# Altium PCB CameraControler0.8.1.PcbDoc (part 1 of 3)
Units mil, origin at the board's own origin, x right, y up, seen from the top; angles counter-clockwise.
Board outline 5511.81 x 4409.45 mil, 2 copper layers (Top Layer, Bottom Layer); 294 components, 219 nets, 919 pads, 492 vias.
Unrouted connection lines stored in the file: 191.
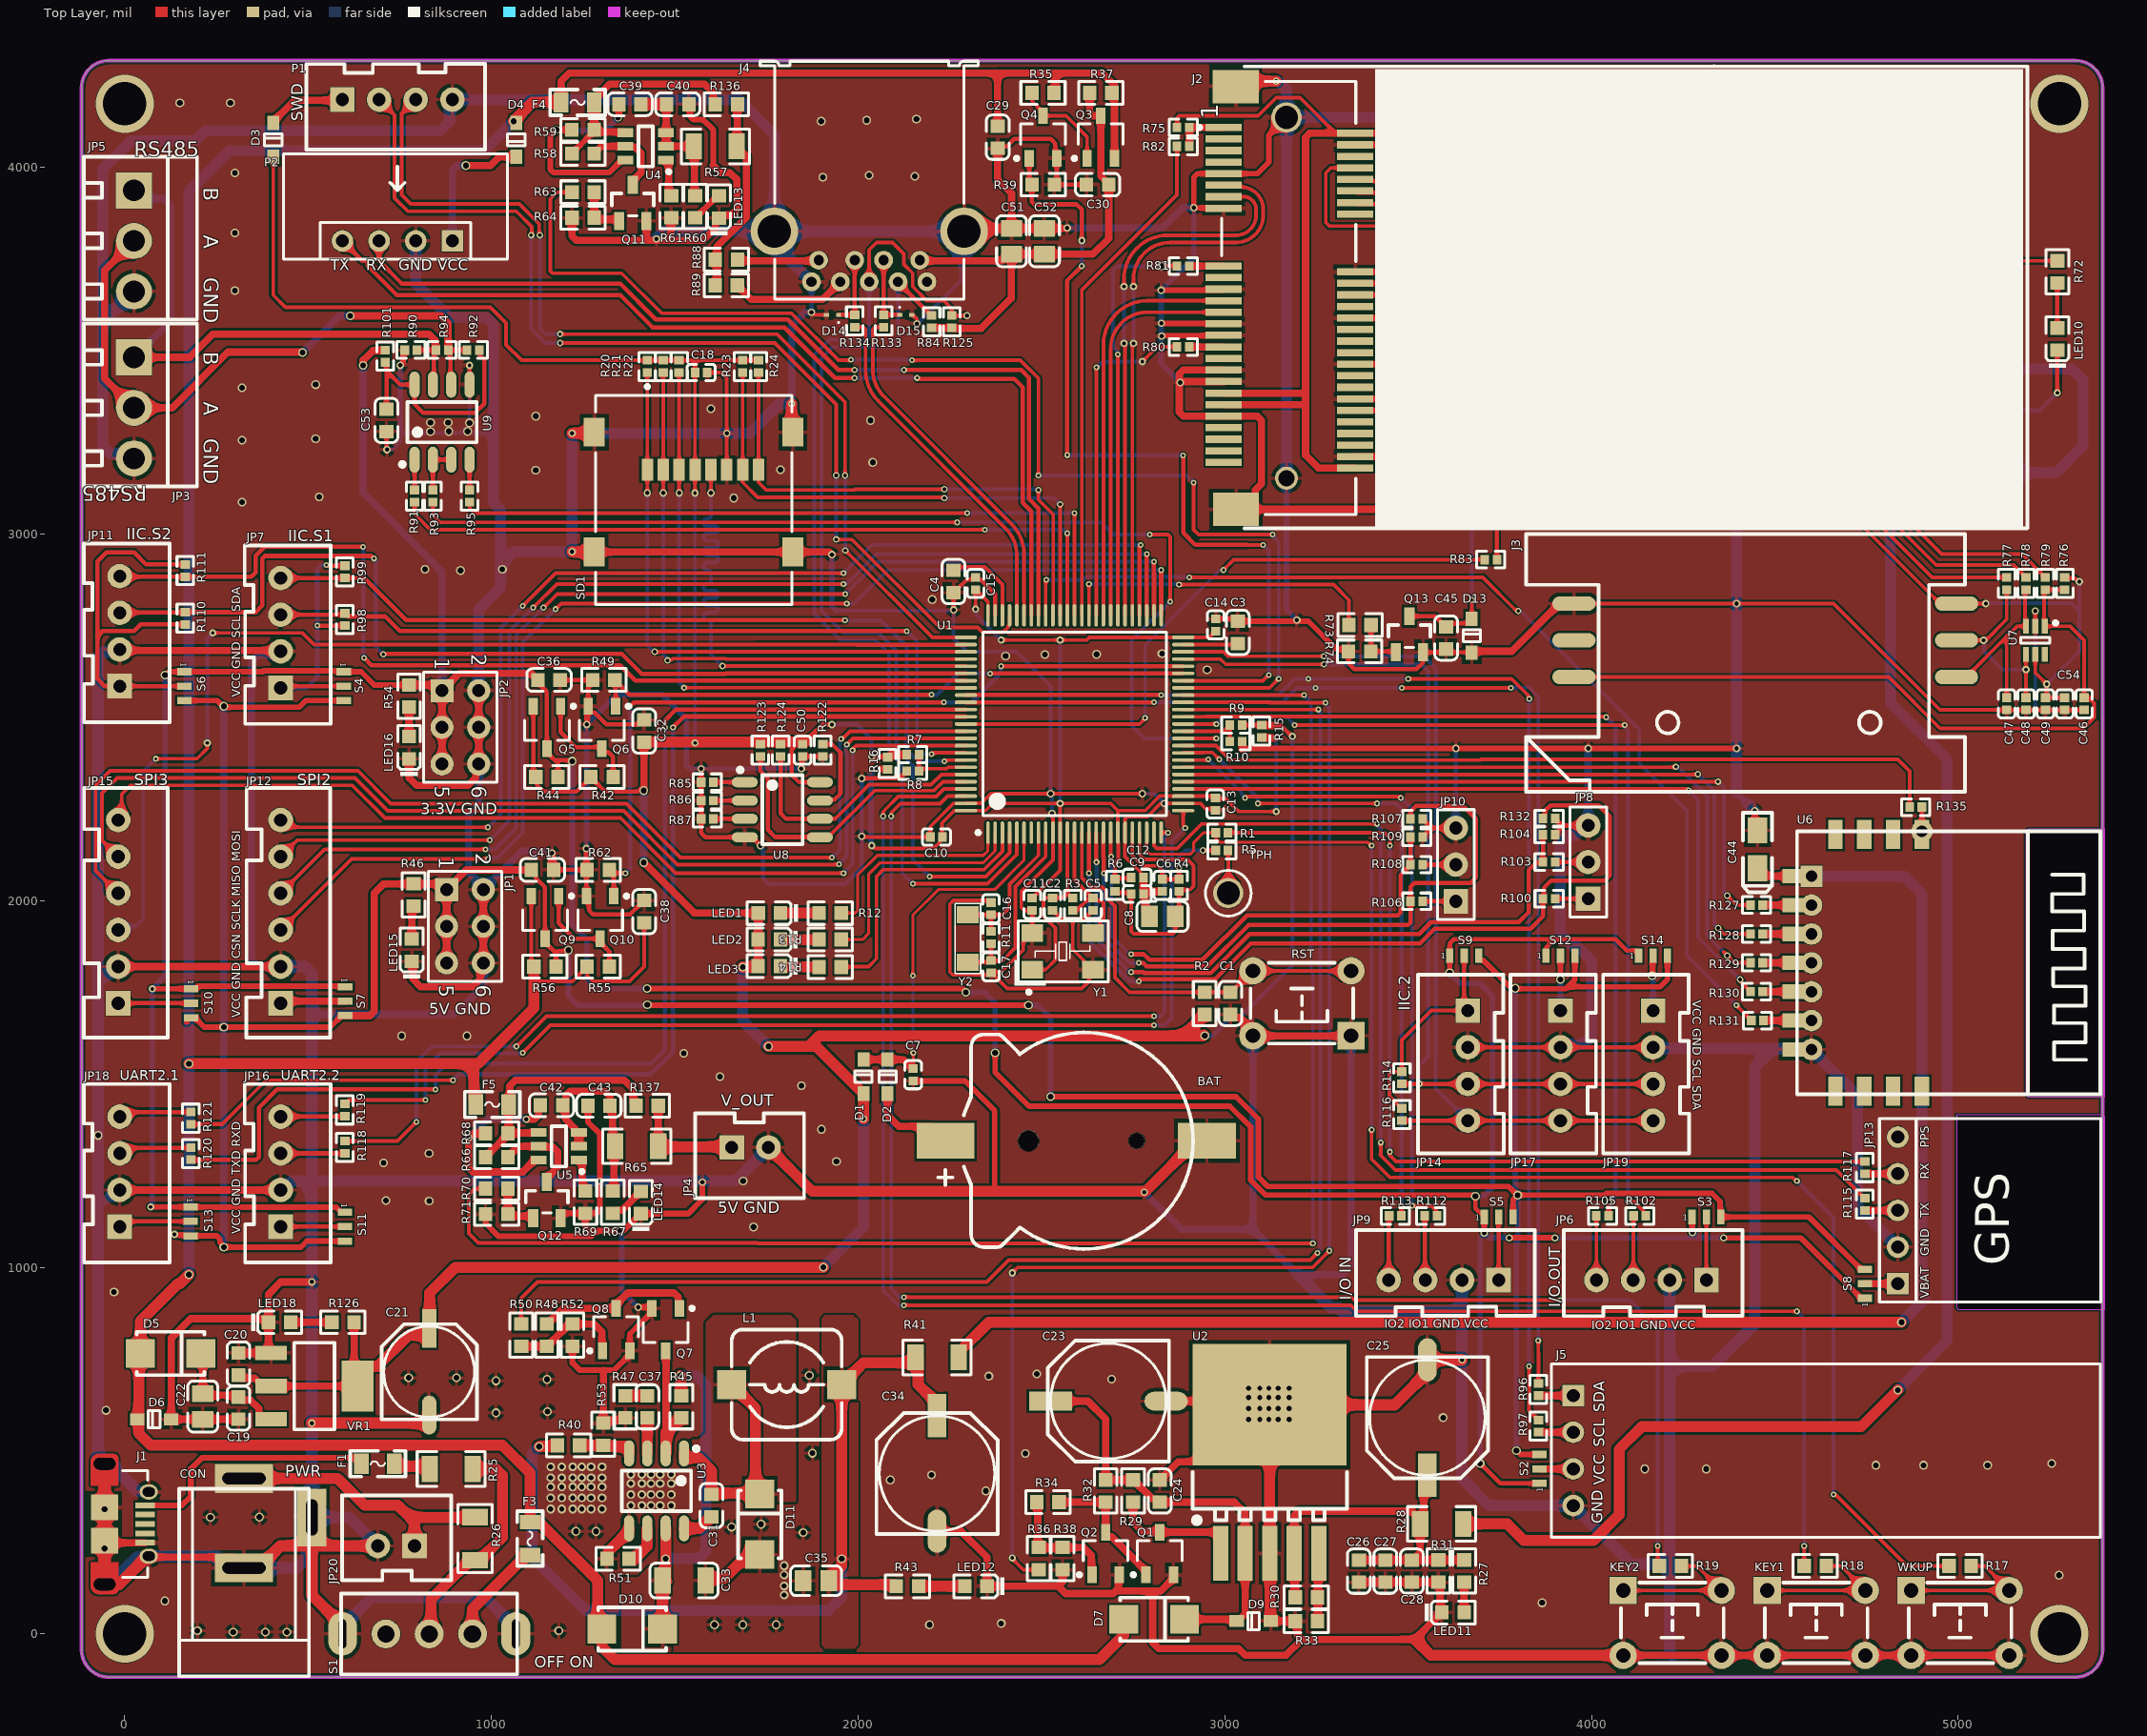
[diagram p0: Top Layer view]
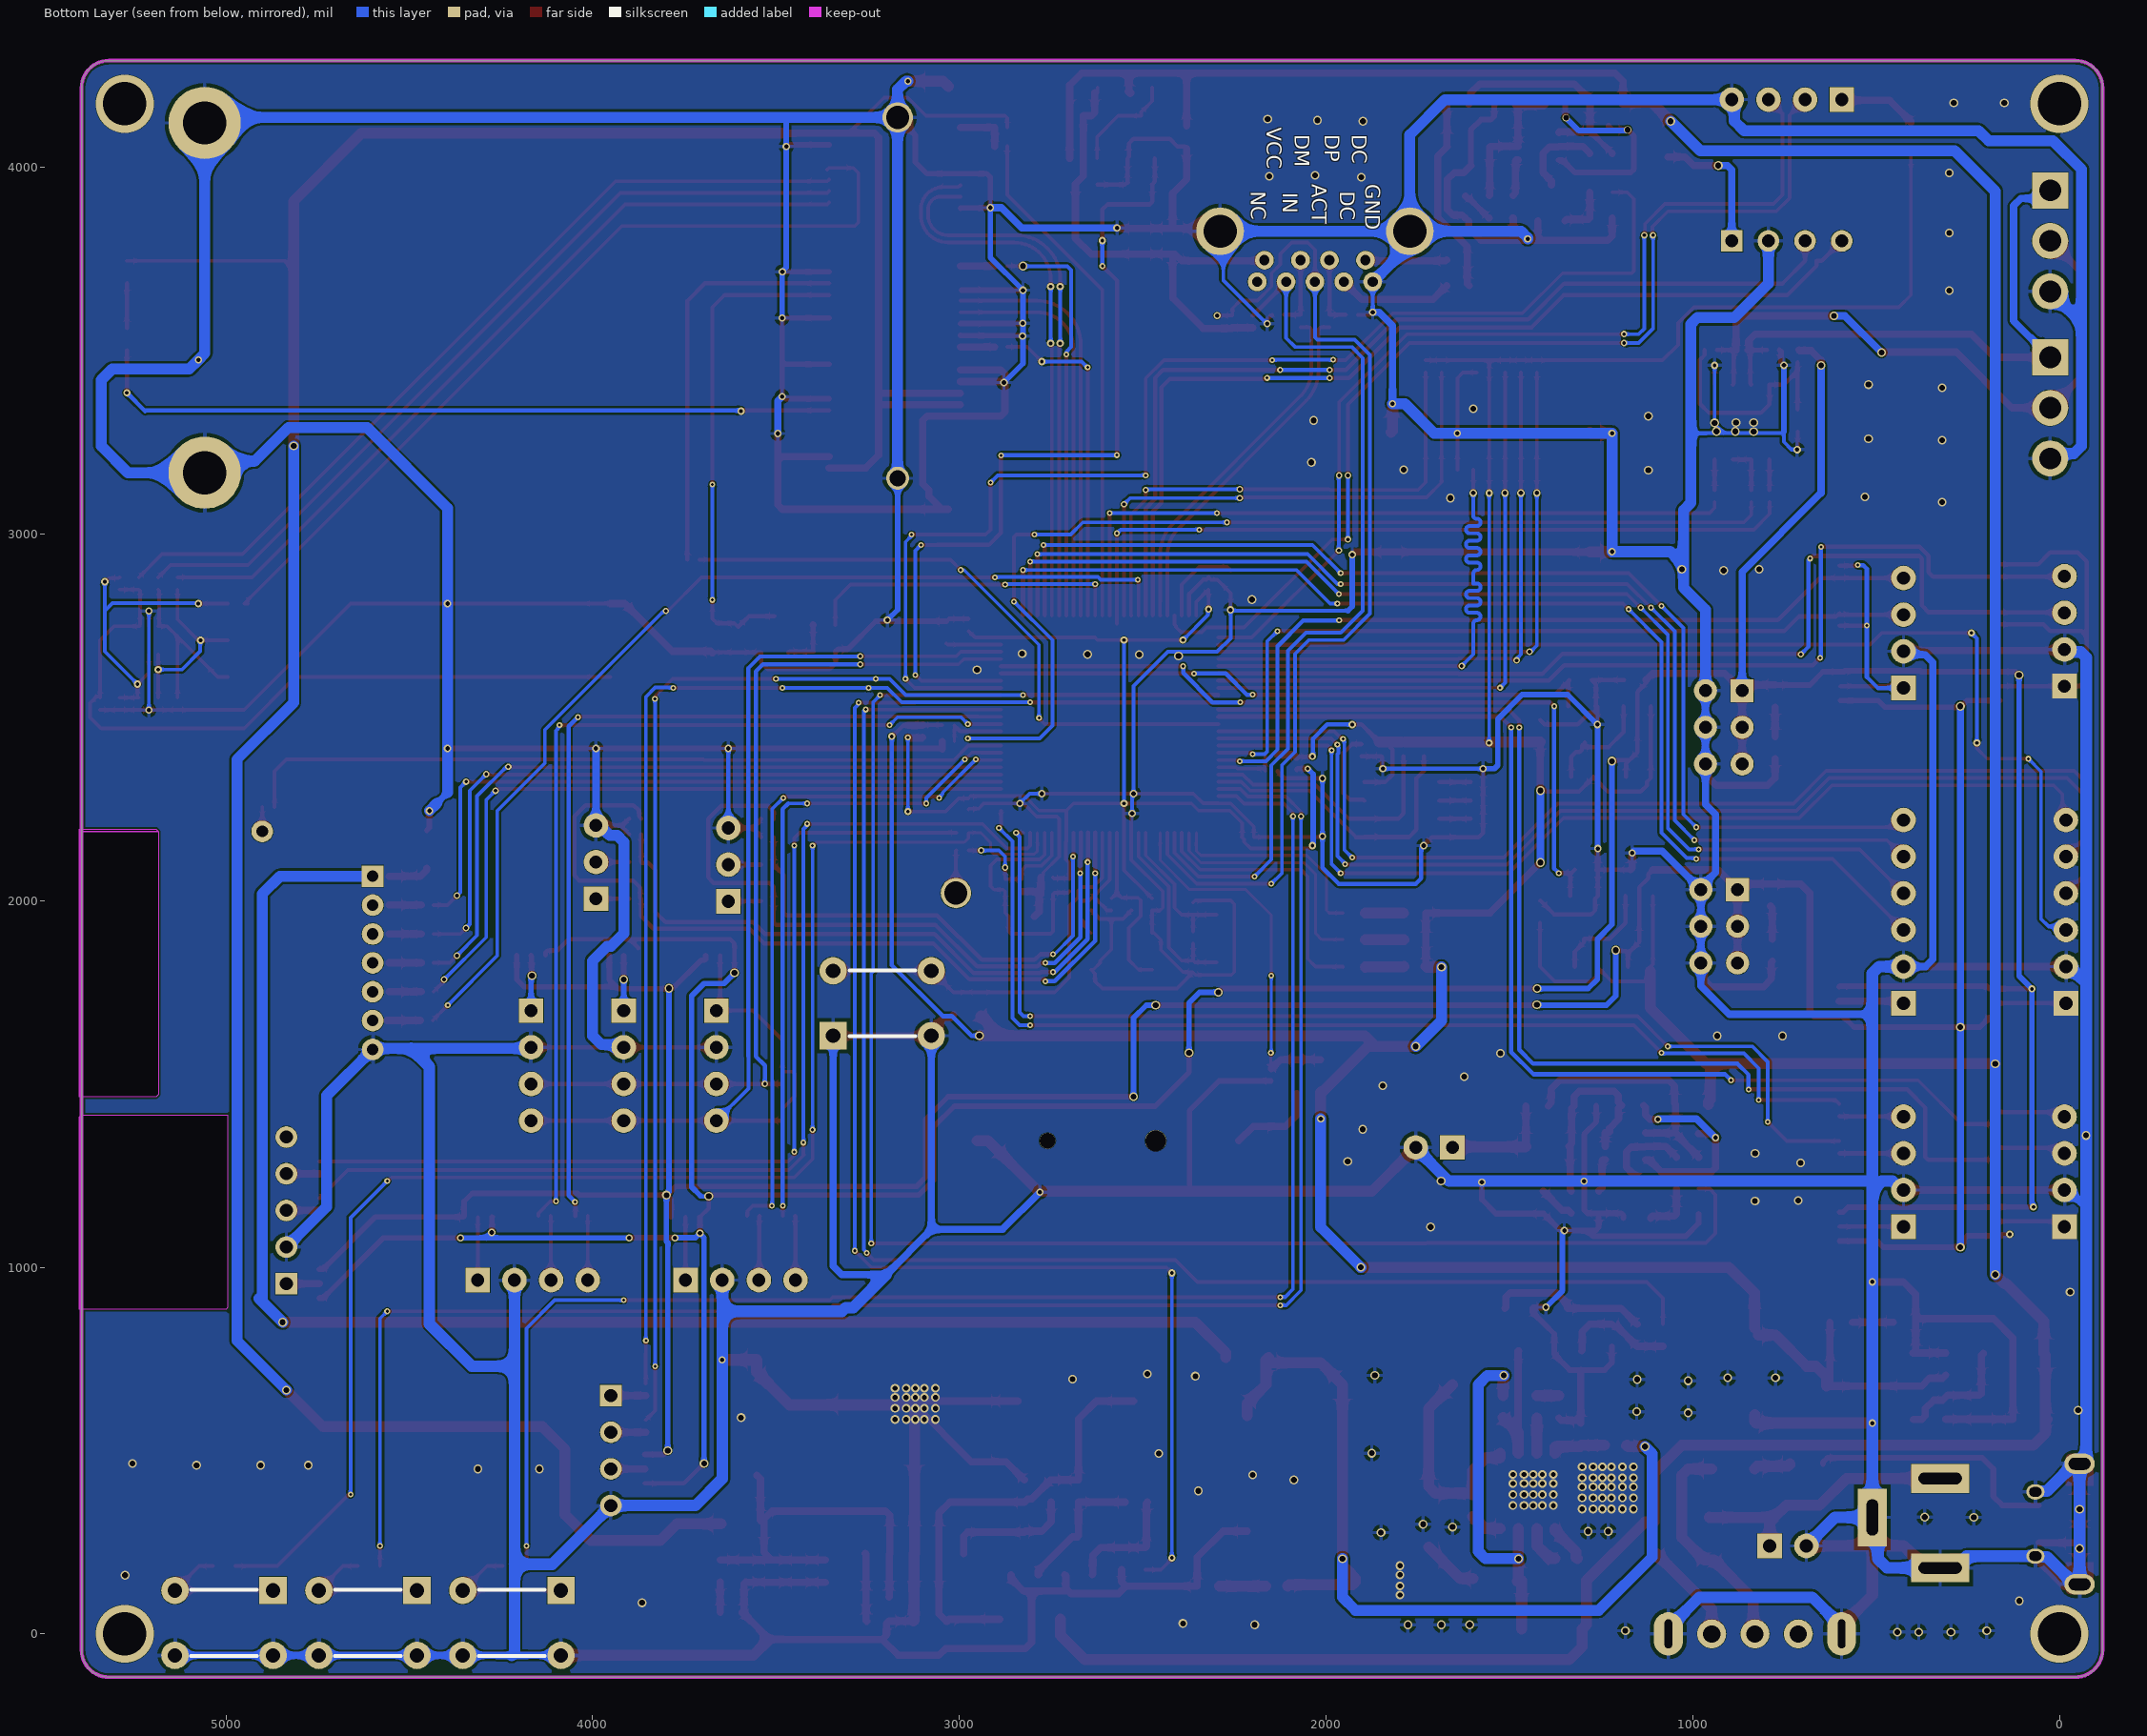
[diagram p1: Bottom Layer view, seen from below]

## Layer stack, top to bottom
Top Solder: solder mask 0.4, Solder Resist, Dk 3.5
Top Layer: signal copper 1.4
Dielectric 1: dielectric 12.6, FR-4, Dk 4.8
Bottom Layer: signal copper 1.4
Bottom Solder: solder mask 0.4, Solder Resist, Dk 3.5

## Board outline
-117.91,-43.11 ccw(c-43.11,-43.11) -43.11,-117.91 -43.31,-118.11 5318.9,-118.11 ccw(c5318.9,-43.31) 5393.7,-43.31 5393.7,4216.54 ccw(c5318.9,4216.54) 5318.9,4291.34 -43.31,4291.33 -43.31,4291.34 ccw(c-43.31,4216.54) -118.11,4216.54
cut-out: 5400,1410 5395,1415 4995,1415 4995,890 5000,885 5400,885
cut-out: 5395,2190 5393.66,2188.66 5184.45,2188.66 5184.45,1470.55 5190,1465 5400,1465 5400,2195 5190.79,2195 5184.45,2188.66
cut-out: 5390,2210
cut-out: 5390,2265

## Design rules (kind name [scope] priority, off if disabled: settings)
Clearance [All] p1: gap=6 ignorepadtopadclearanceinfootprint=FALSE except(0: Arc-Hole Track-Hole SMDPad-Hole THPad-Hole Via-Hole Fill-Hole Poly-Hole Region-Hole Text-Hole; 1: THPad-Fill THPad-Poly THPad-Region Via-Fill Via-Poly Via-Region)
DiffPairsRouting [All] p1: maxlimit=10 minlimit=10 mostfreqgap=10 toplayer_minwidth=10 toplayer_maxwidth=15 toplayer_prefwidth=15 bottomlayer_minwidth=10 bottomlayer_maxwidth=15 bottomlayer_prefwidth=15 maxuncoupledlength=500
HoleSize [All] p1: absolutevalues=TRUE maxlimit=120 minlimit=1 maxpercent=80.000 minpercent=20.000
Length [InNetClass('UART3')] p1: maxlimit=1560 minlimit=1561
MinimumSolderMaskSliver [All] p1: minsoldermaskwidth=1
PolygonConnect [All] p1: connectstyle=Relief reliefconductorwidth=10 reliefentries=4 polygonreliefangle="90 Angle" airgapwidth=10
RoutingVias [All] p1: holewidth=10 width=20 viastyle="Through Hole" minholewidth=6 minwidth=10 maxholewidth=30 maxwidth=50
SolderMaskExpansion [All] p1: expansion=4
Width [All] p1: maxlimit=50 minlimit=6 preferedwidth=10 minimp=50.000000 maximp=50.000000 favimp=50.000000
27 further rules are at their usual default settings.

## Classes and differential pairs
component class WiFi&4G_F: C44 C45 C46 C47 C48 C49 C54 D13 J2 J3 LED10 Q13 R72 R73 R74 R75 R76 R77 R78 R79 R80 R81 R82 R83 R127 R128 R129 R130 R131 R135 U6 U7
component class PWR_F: C19 C20 C21 C22 C23 C24 C25 C26 C27 C28 C29 C30 C31 C32 C33 C34 C35 C36 C37 C38 C39 C40 C41 C42 C43 CON D5 D6 D7 D9 D10 D11 F1 F3 F4 F5 J1 JP1 JP2 JP20 L1 LED11 LED12 LED13 LED14 LED15 LED16 LED18 Q1 Q2 Q3 Q4 Q5 Q6 Q7 Q8 Q9 Q10 Q11 Q12 R25 R26 R27 R28 R29 R30 R31 R32 R33 R34 R35 R36 R37 R38 R39 R40 R41 R42 R43 R44 R45 R46 R47 R48 R49 R50 R51 R52 R53 R54 R55 R56 R57 R58 R59 R60 R61 R62 R63 R64 R65 R66 R67 R68 R69 R70 R71 R126 R136 R137 S1 U2 U3 U4 U5 VR1
component class MCU_F: BAT C1 C2 C3 C4 C5 C6 C7 C8 C9 C10 C11 C12 C13 C14 C15 C16 C17 C18 D1 D2 D3 D4 KEY1 KEY2 LED1 LED2 LED3 P1 P2 R1 R2 R3 R4 R5 R6 R7 R8 R9 R10 R11 R12 R13 R14 R15 R16 R17 R18 R19 R20 R21 R22 R23 R24 RST SD1 TPH U1 WKUP Y1 Y2
component class Device_F: C50 C51 C52 C53 D14 D15 J4 J5 JP3 JP4 JP5 JP6 JP7 JP8 JP9 JP10 JP11 JP12 JP13 JP14 JP15 JP16 JP17 JP18 JP19 R84 R85 R86 R87 R88 R89 R90 R91 R92 R93 R94 R95 R96 R97 R98 R99 R100 R101 R102 R103 R104 R105 R106 R107 R108 R109 R110 R111 R112 R113 R114 R115 R116 R117 R118 R119 R120 R121 R122 R123 R124 R125 R132 R133 R134 S2 S3 S4 S5 S6 S7 S8 S9 S10 S11 S12 S13 S14 U8 U9
differential pair USB: +USB_P -USB_N

## Components (designator, comment, footprint, x,y, rotation, side; value= is the part's Value field where it differs from the comment)
BAT "BAT CR1220" CR1220_B 2617.88,1345 r180 top
C1 "100nF" 0603_C 3015,1719.79 r90 top
C2 "22pF" 0402_C 2529.85,1989.84 r270 top
C3 "2.2uF" 0603_C 3035,2731.73 r270 top
C4 "2.2uF" 0603_C 2260,2870.31 r90 top
C5 "22pF" 0402_C 2640.52,1989.84 r270 top
C6 "100nF" 0402_C 2829.33,2041.73 r90 top
C7 "100nF" 0402_C 2149.88,1525.12 r270 top
C8 "10uF" 0805_C 2829.96,1956.73 r0 top
C9 "100nF" 0402_C 2760.98,2018.11 r180 top
C10 "100nF" 0402_C 2213.36,2173.36 r180 top
C11 "100nF" 0402_C 2474.52,1989.84 r270 top
C12 "100nF" 0402_C 2760.98,2063.11 r0 top
C13 "100nF" 0402_C 2974.02,2263.2 r270 top
C14 "100nF" 0402_C 2975,2751.73 r90 top
C15 "100nF" 0402_C 2320,2865 r90 top
C16 "22pF" 0402_C 2362.24,1977.92 r90 top
C17 "22pF" 0402_C 2362.24,1819.85 r270 top
C18 "100nF" 0402_C 1571.69,3440.28 r0 top
C19 "100nF" 0603_C 310,615.67 r90 top
C20 "100nF" 0603_C 310,736.14 r270 top
C21 "220uF" "CT 6*6 - C" 830,715 r90 top
C22 "10uF" 0805_C 212.68,620.39 r90 top
C23 "470uF" "CT 8*7 - C" 2682.21,634.92 r180 top
C24 "100nF" 0603_C 2822.21,389.61 r270 top
C25 "470uF" "CT 8*7 - C" 3552.21,589.92 r270 top
C26 "100nF" 0603_C 3365,171.14 r90 top
C27 "10pF" 0603_C 3437.5,171.14 r90 top
C28 "33pF" 0603_C 3510,171.14 r90 top
C29 "1uF" 0603_C 2380.25,4082.2 r90 top
C30 "1uF" 0603_C 2653.01,3952.85 r0 top
C31 "100nF" 0603_C 1600,350 r90 top
C32 "1uF" 0603_C 1416.14,2462.39 r270 top
C33 "10uF" 1206_C 1525,145.47 r0 top
C34 "470uF" "CT 8*7 - C" 2215,437.52 r90 top
C35 "22uF" 0805_C 1885,145 r0 top
C36 "1uF" 0603_C 1156.83,2601.74 r180 top
C37 "220pF" 0603_C 1425,619.37 r270 top
C38 "1uF" 0603_C 1416.27,1969.96 r270 top
C39 "1nF" 0603_C 1377.52,4172.2 r180 top
C40 "100nF" 0603_C 1507.83,4172.2 r180 top
C41 "1uF" 0603_C 1138.87,2083.99 r180 top
C42 "1nF" 0603_C 1163.66,1441.62 r180 top
C43 "100nF" 0603_C 1292.91,1440.48 r0 top
C44 "4.7uF" CASE-A_3216 4452.12,2140 r270 top
C45 "100nF" 0603_C 3603.27,2716.42 r90 top
C46 "33pF" 0402_C 5343.07,2536.73 r90 top
C47 "33pF" 0402_C 5131.73,2536.73 r90 top
C48 "33pF" 0402_C 5184.57,2536.73 r90 top
C49 "33pF" 0402_C 5237.4,2536.73 r90 top
C50 "100nF" 0402_C 1848.31,2410.1 r270 top
C51 "10uF" 0805_C 2418.05,3798.5 r270 top
C52 "100nF" 0805_C 2508.05,3798.5 r270 top
C53 "100nF" 0603_C 713.64,3309.68 r270 top
C54 "100nF" 0402_C 5290.23,2536.73 r90 top
CON "DC" DC-005 325,180 r270 top
D1 "1N4148" SOD-323 2014.25,1520 r270 top
D2 "1N4148" SOD-323 2080,1520 r270 top
D3 "1N4148" SOD-323 405,4075 r270 top
D4 "1N4148" SOD-323 1067.57,4075 r90 top
D5 "B350A" SMA(DO-214AC)_S1 125,765 r180 top
D6 "SD24C" SOD-323 80,585.35 r0 top
D7 "B350A" SMA(DO-214AC)_S1 2807.21,39.92 r180 top
D9 "SD24C" SOD-323 3078.66,34.92 r0 top
D10 "B350A" SMA(DO-214AC)_S1 1383.66,13.58 r180 top
D11 "SS34" SMA(DO-214AC)_S1 1731.26,299.01 r270 top
D13 "LESD3Z5.0T1G" SOD-323 3673.27,2722.37 r270 top
D14 "ESD9L5.0ST5G" ONSC-SOD-923-2-514AB-01_V 1930,3597.6 r180 top
D15 "ESD9L5.0ST5G" ONSC-SOD-923-2-514AB-01_V 2130,3597.6 r0 top
F1 "5V 2A" "FU 0805" 690,464.09 r180 top
F3 "5V 3A" "FU 0805" 1105,260 r90 top
F4 "5V 2A" "FU 0805" 1234.92,4177.2 r180 top
F5 "5V 2A" "FU 0805" 1002.23,1443.9 r180 top
J1 "MicroUSB" MOLX-47589-0001 -55,299.72 r270 top
J2 "EC25-AU" PCIEmin-i 3167.99,3152.01 r90 top locked
J3 "SIM Card" "SIM Card" 3951.69,2610 r180 top locked
J4 "USB 3.0" USB3.0-i 2030,3965 r180 top locked
J5 "OLED" "HDR-4P OLED" 3950,650 r0 top
JP1 "HDR-2X3" HDR-3X2 877.66,2030 r270 top
JP2 "HDR-2X3" HDR-3X2 865.17,2572.63 r270 top
JP3 "HDR-1X3" KF350-3P 25,3481.69 r270 top
JP4 "XH-2.56-2P" XH2.54-2P 1655.16,1326.79 r0 top
JP5 "HDR-1X3" KF350-3P 25,3937.05 r270 top
JP6 "I/O" XH2.54-4P 4313,965 r180 top
JP7 "IIC" XH2.54-4P 425,2580 r90 top
JP8 "HDR-1X3" HDR-1X3 3990.63,2005.08 r90 top
JP9 "I/O" XH2.54-4P 3746.46,965 r180 top
JP10 "HDR-1X3" HDR-1X3 3629.7,1998.11 r90 top
JP11 "IIC" XH2.54-4P -14,2585 r90 top
JP12 "SPI2" XH2.54-6P 425,1720 r90 top
JP13 "HDR-5P GPS" "HDR-5P GPS" 4835,955 r90 top
JP14 "IIC" XH2.54-4P 3662.5,1700 r270 top locked
JP15 "SPI3" XH2.54-6P -18,1720 r90 top
JP16 "UART2_1" XH2.54-4P 425,1110.66 r90 top
JP17 "IIC" XH2.54-4P 3915,1700 r270 top
JP18 "UART2_2" XH2.54-4P -14,1110.66 r90 top
JP19 "IIC" XH2.54-4P 4167.5,1700 r270 top
JP20 "DC" XH2.54-2P 790,240 r180 top
KEY1 "KEY" "TSW DIP-6*6*8" 4612.5,30 r0 top
KEY2 "KEY" "TSW DIP-6*6*8" 4220,30 r0 top
L1 "10uH" CDRH74 1805,680 r180 top
LED1 "绿灯 0603" 0603_LED_S1 1757.99,1966.11 r180 top
LED2 "黄灯 0603" 0603_LED_S1 1757.24,1893.61 r180 top
LED3 "蓝灯 0603" 0603_LED_S1 1757.24,1821.11 r180 top
LED10 "蓝灯 0603" 0603_LED_S1 5270,3531.42 r90 top
LED11 "黄灯 0603" 0603_LED_S1 3621.89,58.54 r0 top
LED12 "黄灯 0603" 0603_LED_S1 2320.95,130 r180 top
LED13 "黄灯 0603" 0603_LED_S1 1620.23,3891.89 r90 top
LED14 "黄灯 0603" 0603_LED_S1 1407.52,1176.61 r90 top
LED15 "黄灯 0603" 0603_LED_S1 782.66,1864.68 r90 top
LED16 "黄灯 0603" 0603_LED_S1 775.17,2417.31 r90 top
LED18 "红灯 0603" 0603_LED_S1 422.21,850 r0 top
P1 "JLINK" XH2.54-4P 593.39,4184.7 r0 top
P2 "LOG" "HDR-4P Bluetooth-v" -511.61,4271.25 r90 top
Q1 "AO3400A" SOT-23-3L 2822.21,219.41 r270 top
Q2 "AO3400A" SOT-23-3L 2674.8,219.41 r270 top
Q3 "AO3401A" SOT-23-3L 2661.37,4082.54 r270 top
Q4 "AO3400A" SOT-23-3L 2503.97,4082.54 r270 top
Q5 "AO3401A" SOT-23-3L 1151.14,2472.06 r90 top
Q6 "AO3400A" SOT-23-3L 1301.14,2472.06 r90 top
Q7 "AO3400A" SOT-23-3L 1475,830 r90 top
Q8 "AO3400A" SOT-23-3L 1340,830 r270 top
Q9 "AO3401A" SOT-23-3L 1145.95,1954.31 r90 top
Q10 "AO3400A" SOT-23-3L 1296.27,1954.31 r90 top
Q11 "SS8050" SOT-23(SOT-23-3) 1385.23,3902.99 r270 top
Q12 "SS8050" SOT-23(SOT-23-3) 1151.18,1183.11 r270 top
Q13 "SS8050 Y1" SOT-23(SOT-23-3) 3503.27,2726.42 r270 top
R1 "0Ω" 0402_R 2991.73,2185.47 r0 top
R2 "10KΩ" 0603_R 2945,1719.79 r90 top
R3 "NC" 0402_R 2585.19,1989.84 r90 top value=1MΩ
R4 "0Ω" 0402_R 2875,2041.73 r270 top
R5 "NC" 0402_R 2991.73,2136.73 r0 top value=0Ω
R6 "10Ω" 0402_R 2700,2041.73 r270 top
R7 "NC" 0402_R 2148.9,2398.18 r0 top value=10KΩ
R8 "10KΩ" 0402_R 2148.9,2353.36 r180 top
R9 "NC" 0402_R 3030.12,2478.78 r180 top value=10KΩ
R10 "10KΩ" 0402_R 3030.12,2433.78 r0 top
R11 "NC" 0402_R 2362.24,1898.88 r90 top value=1MΩ
R12 "4.7KΩ" 0603_R 1923.31,1966.11 r180 top
R13 "4.7KΩ" 0603_R 1923.31,1893.61 r180 top
R14 "4.7KΩ" 0603_R 1923.31,1818.66 r180 top
R15 "0Ω" 0402_R 3100,2462.05 r270 top
R16 "0Ω" 0402_R 2080,2374.4 r270 top
R17 "4.7KΩ" 0603_R 5005,185 r0 top
R18 "4.7KΩ" 0603_R 4610,185 r0 top
R19 "4.7KΩ" 0603_R 4215,185 r0 top
R20 "47KΩ" 0402_R 1425.04,3457.01 r270 top
R21 "47KΩ" 0402_R 1468.35,3457.01 r270 top
R22 "47KΩ" 0402_R 1511.65,3457.01 r270 top
R23 "47KΩ" 0402_R 1684.88,3457.01 r270 top
R24 "47KΩ" 0402_R 1728.19,3457.01 r270 top
R25 "0Ω" 1206_R 890,450 r0 top
R26 "0Ω" 1206_R 955,260 r270 top
R27 "4.7KΩ" 0603_R 3652.21,171.34 r90 top
R28 "0Ω" 1206_R 3590.92,299.92 r0 top
R29 "51KΩ" 0603_R 2749.61,389.6 r90 top
R30 "82KΩ" 0603_R 3222.21,99.92 r180 top
R31 "470Ω" 0603_R 3582.21,171.34 r90 top
R32 "100KΩ" 0603_R 2674.8,389.61 r90 top
R33 "47KΩ" 0603_R 3222.21,34.92 r0 top
R34 "NC" 0603_R 2517.21,359.29 r0 top
R35 "100KΩ" 0603_R 2503.97,4203.29 r0 top
R36 "10KΩ" 0603_R 2492.21,205.23 r90 top
R37 "NC" 0603_R 2661.37,4203.29 r0 top
R38 "100KΩ" 0603_R 2557.21,205.24 r90 top
R39 "100KΩ" 0603_R 2504.56,3952.85 r180 top
R40 "124KΩ" 0603_R 1210,514.37 r180 top
R41 "0Ω" 1206_R 2215,754.25 r0 top
R42 "100KΩ" 0603_R 1301.14,2337.39 r180 top
R43 "4.7KΩ" 0603_R 2134.45,130 r180 top
R44 "NC" 0603_R 1151.14,2337.39 r180 top
R45 "100KΩ" 0603_R 1517.6,619.37 r270 top
R46 "10KΩ" 0603_R 787.66,2015.31 r90 top
R47 "40.2KΩ" 0603_R 1305,544.69 r270 top
R48 "NC" 0603_R 1150.75,814.68 r90 top
R49 "100KΩ" 0603_R 1306.14,2601.74 r0 top
R50 "10KΩ" 0603_R 1080.75,814.69 r270 top
R51 "200KΩ" 0603_R 1345,205 r180 top
R52 "100KΩ" 0603_R 1220.75,814.68 r90 top
R53 "68.1KΩ" 0603_R 1365,619.37 r90 top
R54 "4.7KΩ" 0603_R 775.17,2557.94 r90 top
R55 "100KΩ" 0603_R 1291.27,1819.64 r180 top
R56 "NC" 0603_R 1145.95,1819.64 r180 top
R57 "0Ω" 1206_R 1610.23,4057.2 r0 top
R58 "51KΩ" 0603_R 1249.92,4037.2 r180 top
R59 "100KΩ" 0603_R 1249.6,4102.2 r0 top
R60 "10KΩ" 0603_R 1555.23,3892.52 r90 top
R61 "4.7KΩ" 0603_R 1490.23,3892.52 r270 top
R62 "100KΩ" 0603_R 1291.27,2083.99 r0 top
R63 "4.7KΩ" 0603_R 1249.92,3932.2 r0 top
R64 "47KΩ" 0603_R 1249.92,3862.2 r180 top
R65 "0Ω" 1206_R 1396.1,1330 r0 top
R66 "51KΩ" 0603_R 1014.02,1300 r180 top
R67 "4.7KΩ" 0603_R 1331.02,1177.72 r90 top
R68 "100KΩ" 0603_R 1014.02,1365 r0 top
R69 "4.7KΩ" 0603_R 1256.02,1177.72 r270 top
R70 "4.7KΩ" 0603_R 1014.02,1214.21 r0 top
R71 "47KΩ" 0603_R 1014.02,1145 r180 top
R72 "4.7KΩ" 0603_R 5270,3714.68 r90 top
R73 "4.7KΩ" 0603_R 3368.27,2751.42 r0 top
R74 "4.7KΩ" 0603_R 3367.52,2679.58 r180 top
R75 "10KΩ" 0402_R 2886.26,4108.7 r0 top
R76 "15KΩ" 0402_R 5290,2865 r90 top
R77 "22Ω" 0402_R 5131.73,2865 r270 top
R78 "22Ω" 0402_R 5184.49,2865 r270 top
R79 "22Ω" 0402_R 5237.24,2865 r270 top
R80 "22Ω" 0402_R 2886.26,3510.28 r0 top
R81 "NC" 0402_R 2886.26,3730.75 r0 top value=22Ω
R82 "22Ω" 0402_R 2886.26,4057.2 r0 top
R83 "22Ω" 0402_R 3725,2930 r180 top
R84 "10KΩ" 0402_R 2200,3579.13 r270 top
R85 "10KΩ" 0402_R 1588.31,2322.97 r180 top
R86 "10KΩ" 0402_R 1588.31,2272.97 r180 top
R87 "10KΩ" 0402_R 1588.31,2222.97 r180 top
R88 "NC" 0603_R 1640.55,3748.09 r0 top
R89 "0Ω" 0603_R 1640,3677.83 r0 top
R90 "360Ω" 0402_R 780.17,3501.54 r180 top
R91 "22Ω" 0402_R 790.17,3103.27 r90 top
R92 "360Ω" 0402_R 950.17,3501.54 r0 top
R93 "22Ω" 0402_R 840.17,3103.27 r90 top
R94 "120Ω" 0402_R 865.17,3501.54 r0 top
R95 "22Ω" 0402_R 940.17,3103.27 r90 top
R96 "22Ω" 0402_R 3855,666.73 r90 top
R97 "22Ω" 0402_R 3855,566.73 r90 top
R98 "4.7KΩ" 0402_R 600,2766.73 r90 top
R99 "4.7KΩ" 0402_R 600,2896.73 r270 top
R100 "0Ω" 0402_R 3883.9,2005.08 r180 top
R101 "0Ω" 0402_R 710.17,3485 r270 top
R102 "22Ω" 0402_R 4131.27,1140 r0 top
R103 "0Ω" 0402_R 3883.9,2105.08 r180 top
R104 "NC" 0402_R 3883.9,2180.08 r0 top value=0Ω
R105 "22Ω" 0402_R 4029.73,1140 r0 top
R106 "0Ω" 0402_R 3522.97,1998.11 r180 top
R107 "NC" 0402_R 3522.97,2223.11 r0 top value=0Ω
R108 "0Ω" 0402_R 3522.97,2098.11 r180 top
R109 "NC" 0402_R 3522.97,2173.11 r0 top value=0Ω
R110 "4.7KΩ" 0402_R 165,2770 r90 top
R111 "4.7KΩ" 0402_R 165,2900 r270 top
R112 "22Ω" 0402_R 3561.46,1140 r0 top
R113 "22Ω" 0402_R 3464.72,1140 r0 top
R114 "4.7KΩ" 0402_R 3482.5,1516.73 r270 top
R115 "22Ω" 0402_R 4745,1171.73 r90 top
R116 "4.7KΩ" 0402_R 3482.5,1416.73 r270 top
R117 "22Ω" 0402_R 4745,1271.73 r90 top
R118 "22Ω" 0402_R 600,1327.39 r90 top
R119 "22Ω" 0402_R 600,1428.93 r90 top
R120 "22Ω" 0402_R 180,1310 r270 top
R121 "22Ω" 0402_R 180,1406.73 r270 top
R122 "10KΩ" 0402_R 1903.31,2410.1 r90 top
R123 "4.7KΩ" 0402_R 1733.31,2410.1 r270 top